# KiCad board TRS80_Model_I_Jap20_E1.kicad_pcb (continued)
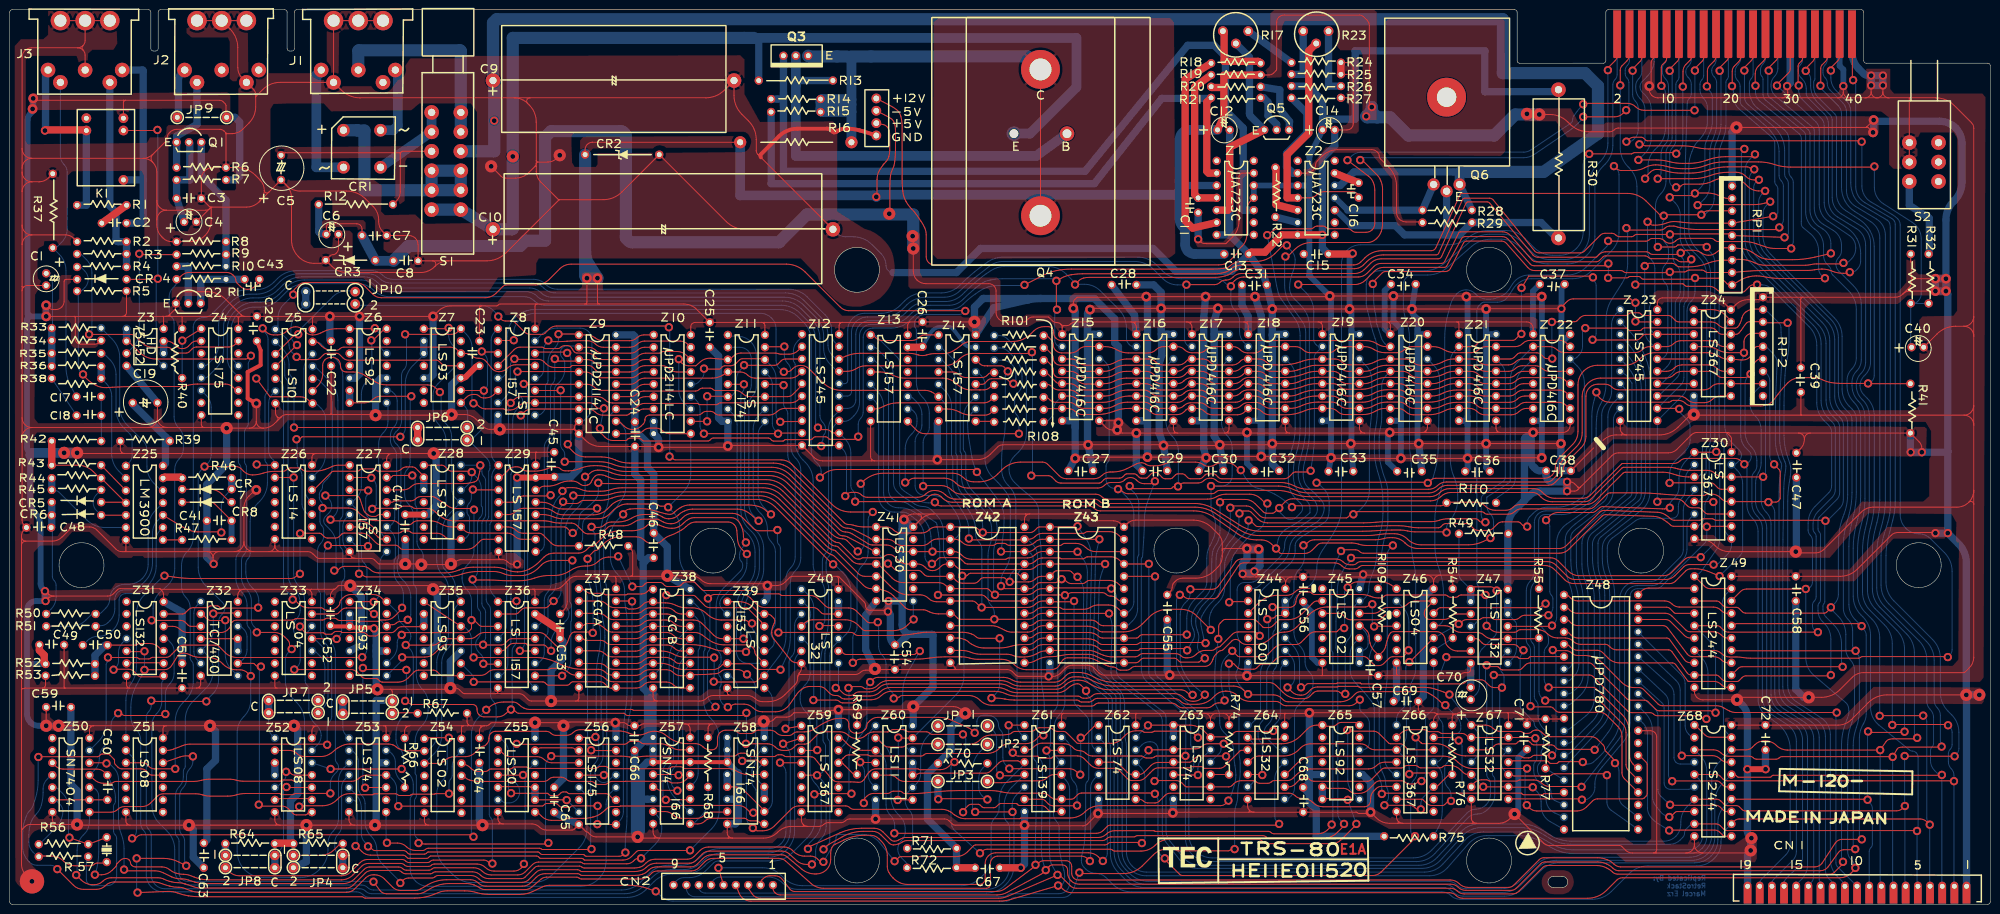
[diagram p0: board, top side]
## Routing (per net, layer and track width the routed paths; a pad name or vN(x,y) marks a point on that pad's centre or on a via; arc(x,y) is an arc through that point) (continued)
arc(161.78,45.8) 161.38,45.2 159.3,43.11 arc(157.7,42.05) 155.83,41.68 154.69,41.68 arc(153.86,41.84) 153.16,42.31 arc(152.46,42.78) 151.63,42.94 148.1,42.94 ; 161.92,46.72 arc(162.02,47.22) 162.3,47.64 ; J1.4 J1.4 J1.4 ; Z52.7 54.48,17.36 arc(54.56,16.94) 54.8,16.59 ; Z33.7 54.48,44.9 arc(54.51,44.74) 54.61,44.6 ; Z46.7 284.99,47.47 arc(285.02,47.3) 285.11,47.16 ; 30.22,140.77 30.22,139.76 arc(30.49,138.43) 31.24,137.31 31.54,137.01 arc(32.33,136.48) 33.27,136.29 R8.2 37.06,136.29 arc(38.72,136.62) 40.13,137.56 arc(41.07,138.97) 41.4,140.63 41.4,143.28 ; v2(382.52,168.42) 382.52,167.09 ; 29.4,154.26 arc(29.06,153.44) 29.4,152.61 ; 112.96,144.93 112.84,144.93 ; 107.98,151.81 106.66,150.49 arc(105.41,149.66) 103.95,149.37 101.85,149.37 arc(101.38,149.46) 100.98,149.73 v3(98.93,151.78) ; Z42.12 194.17,48.79 arc(194.27,48.65) 194.31,48.47 ; 365.38,167.02 arc(365.71,166.22) 366.52,165.88 ; 147.63,13.61 arc(147.8,13.72) 147.76,13.93 ; 163.99,16.02 166.34,16.02 arc(166.83,16.12) 167.26,16.4 arc(167.68,16.68) 168.18,16.78 170.78,16.78 arc(171.28,16.88) 171.7,17.16 arc(172.12,17.45) 172.62,17.54 v1(177.93,17.54) 192.12,17.54 arc(192.62,17.45) 193.04,17.16 193.67,16.53 arc(193.95,16.34) 194.29,16.28 v1(208.53,16.28) 208.6,16.21 arc(208.67,16.16) 208.75,16.15 220.6,16.15 arc(221.07,16.24) 221.46,16.51 v1(223.65,18.69) 238.8,18.69 arc(238.88,18.7) 238.95,18.75 v1(239.01,18.81) 239.08,18.88 arc(239.15,18.93) 239.23,18.94 254.6,18.94 ; 163.99,16.02 arc(163.49,16.12) 163.07,16.4 ; Z58.8 147.44,14.69 arc(147.53,14.28) 147.76,13.93 ; 100.89,70.88 101.28,70.88 arc(101.81,70.78) 102.26,70.48 102.33,70.4 arc(102.87,70.05) 103.5,69.92 v2(104.26,69.92) ; 100.89,70.88 arc(100.72,70.92) 100.58,71.01 ; 276.1,170.49 276.1,166.1 ; 276.1,170.49 arc(276.08,170.57) 276.03,170.64 ; 276.1,166.1 276.1,165.92 ; 276.1,166.1 arc(276.08,166.01) 276.03,165.94 ; C39.2 368.08,100.76 arc(368.09,100.7) 368.13,100.65 ; 276.1,165.92 arc(276.07,165.95) 276.03,165.94 ; Z32.7 39.24,45.34 arc(39.17,45) 38.99,44.72 ; 346.2,12.27 Z68.10 ; 148.1,42.94 arc(147.85,42.99) 147.64,43.14 ; Z66.15 296.25,34.31 arc(296.45,34.27) 296.62,34.16 296.94,33.84 arc(297.12,33.72) 297.34,33.67 v2(297.76,33.67) ; Z36.8 100.33,43.76 arc(100.29,43.59) 100.2,43.45 ; 254.6,18.94 255.68,18.94 ; 254.6,18.94 arc(254.81,19.08) 254.76,19.32 ; 255.68,18.94 arc(255.18,19.04) 254.76,19.32 ; 54.56,44.47 arc(54.62,44.51) 54.61,44.6 ; 194.5,48.28 arc(194.36,48.33) 194.31,48.47 ; Z53.7 69.72,17.36 arc(69.8,16.94) 70.04,16.59 ; 2.54,146.61 arc(3.12,148.02) 4.54,148.61 ; 13.97,176.17 arc(14.56,176.28) 15.05,176.61 ; 13.97,176.17 arc(14.56,176.05) 15.05,175.72 ; Z9.8 116.35,98.71 arc(116.15,98.41) 116.08,98.06 ; 50.13,72.54 arc(48.72,73.12) 48.13,74.54 ; 108.2,152.99 108.2,160.89 arc(107.82,162.8) 106.74,164.42 106.43,164.74 ; Z4.8 39.37,98.71 arc(39.42,98.46) 39.56,98.25 ; Z31.7 24,45.12 arc(24.05,44.87) 24.19,44.66 ; Z57.8 132.2,14.91 arc(132.3,14.41) 132.59,13.99 ; 78.61,41.93 78.61,43.78 arc(78.58,43.95) 78.48,44.09 ; 8.76,18.94 8.76,17.49 arc(8.84,17.07) 9.08,16.72 ; 30.35,100.06 C19.1 ; 284.99,19.07 284.99,17.96 arc(285.09,17.46) 285.37,17.04 ; 332.26,96.54 331.18,96.54 ; 332.26,96.54 arc(331.76,96.64) 331.34,96.92 ; 331.18,96.54 330.13,96.54 arc(328.67,96.25) 327.42,95.42 ; 331.18,96.54 arc(331.39,96.68) 331.34,96.92 ; 116.35,97.41 arc(116.15,97.71) 116.08,98.06 ; R53.1 7.36,45.12 arc(7.31,44.87) 7.17,44.66 ; 40.02,98.06 arc(39.77,98.11) 39.56,98.25 ; 325.5,93.87 C38.2 ; 15.05,176.61 arc(14.86,176.17) 15.05,175.72
  Top w0.8: 50.29,103.02 v1(50.67,103.02) 48.89,104.03 48.89,109.49 51.56,110.89 51.56,113.94 C20.2 ; Z58.3 Z57.14 Z57.3 ; C52.2 65.99,57.22 arc(66.07,57.16) 66.17,57.14 69.8,57.14 arc(69.82,57.15) 69.84,57.16 arc(69.85,57.16) 69.86,57.16 69.97,57.04 arc(70.12,56.95) 70.28,56.91 74.55,56.91 arc(74.66,56.89) 74.76,56.83 v2(74.85,56.74) ; TP1.4 177.12,158.45 arc(176.14,158.76) 175.16,159.04 174.58,159.2 arc(173.34,159.45) 172.08,159.53 171.73,159.53 arc(170.85,159.4) 170.05,159.02 169.79,158.85 arc(169.34,158.76) 168.97,159.02 arc(168.58,159.4) 168.05,159.53 161.89,159.53 arc(159.81,159.12) 158.04,157.94 154.37,154.26 arc(154.23,153.94) 154.37,153.63
  Top w1.2: v2(360.83,27.78) v2(357.1,27.78) ; 96.52,110.76 96.25,110.76 arc(96,110.71) 95.8,110.57 93.71,108.48 arc(93.42,108.29) 93.08,108.22 Z7.10 ; v2(104.27,87.78) 107.99,87.78 arc(108.07,87.79) 108.14,87.84 arc(108.21,87.89) 108.29,87.9 C45.2
  Top w1.5: C15.2 275.75,133.75 arc(275.84,133.77) 275.91,133.81 v2(275.97,133.88) ; v2(207.77,7.51) C67.2 ; R24.2 R25.2 ; Z36.15 113.1,56.34 C53.2 ; C13.2 254.92,134.04 arc(255.02,134.11) 255.15,134.13 257.93,134.13 261.36,137.69 Z2.7 v2(269.75,137.69) ; Z13.15 187.36,114.57 arc(187.44,114.59) 187.51,114.64 C26.2
  Bottom w0.2: Z67.7 299.91,21.61 arc(299.5,21.69) 299.15,21.92 298.96,22.12 arc(298.58,22.68) 298.45,23.34 298.45,32.5 arc(298.36,32.95) 298.11,33.33 v2(297.76,33.67) ; v3(84.58,69.87) 84.58,70.23 arc(84.63,70.48) 84.77,70.69 arc(84.91,70.91) 84.96,71.15 84.96,71.65 arc(84.82,72.35) 84.42,72.95 84.33,73.04 arc(83.86,73.75) 83.69,74.58 83.69,81.41 arc(83.64,81.66) 83.5,81.87 arc(83.36,82.08) 83.31,82.33 83.31,87.21 arc(83.23,87.59) 83.02,87.92 v2(82.73,88.21) ; v2(334.08,123.74) v2(334.08,119.88) ; Z27.5 69.15,79.46 arc(68.63,78.68) 68.45,77.77 68.45,74.92 arc(68.63,74.01) 69.15,73.23 Z27.8 ; 107.95,115.84 109.28,117.18 arc(110.76,118.16) 112.5,118.51 117.25,118.51 arc(118.16,118.33) 118.93,117.81 arc(119.45,117.04) 119.63,116.13 119.63,102.37 arc(119.4,101.21) 118.74,100.22 118.17,99.65 arc(117.82,99.41) 117.41,99.33 Z9.8 ; C10.2 169.92,138.07 arc(170.77,137.5) 171.76,137.31 173.32,137.31 arc(175.4,136.89) 177.17,135.71 179.07,133.81 arc(179.82,132.69) 180.08,131.37 arc(180.5,130.36) 181.51,129.94
  Bottom w0.8: Z14.15 197.61,114.57 arc(196.81,114.76) 196.18,115.28 193.95,118.24 arc(193.48,118.62) 192.88,118.76 191.27,118.76 arc(190.44,118.6) 189.74,118.13 arc(189.15,117.46) 188.67,116.71 C26.2
  Bottom w1.2: C36.2 303.4,89.81 v1(303.4,94.76) 303.4,116.22 ; 303.4,118.26 303.4,117.24 ; 303.4,118.26 v1(303.4,122.45) ; 303.4,118.26 303.4,116.22 ; 303.4,117.24 303.4,116.22 ; 303.4,117.24 Z21.16 ; Z19.16 275.71,117.24 ; 289.3,116.22 289.3,117.24 ; 289.3,116.22 289.3,95.19 arc(289.34,95.03) 289.43,94.89 v1(289.56,94.76) ; 289.3,116.22 289.3,118.26 ; 289.3,117.24 289.3,118.26 ; 289.3,117.24 Z20.16 ; 318.77,115.26 v1(318.77,94.76) ; 318.77,115.26 arc(318.78,115.33) 318.82,115.39 ; 318.77,115.26 arc(318.78,115.33) 318.82,115.39 ; Z45.7 268.73,49.68 267.59,50.82 267.59,60.09 265.94,61.73 arc(265.84,61.88) 265.81,62.06 265.81,62.25 ; C37.2 318.89,126.89 318.89,122.54 arc(318.89,122.52) 318.88,122.51 v2(318.87,122.5) 318.87,115.51 arc(318.86,115.44) 318.82,115.39 ; 275.71,118.07 275.71,117.24 ; 275.71,118.07 275.71,121.8 arc(275.67,122.05) 275.52,122.26 v1(275.33,122.45) 275.33,133.24 v2(275.97,133.88) ; 275.71,118.07 275.71,116.41 ; 275.71,117.24 275.71,116.41 ; C71.2 310,30.12 310,19.32 v3(309.24,18.56) ; 289.3,118.26 289.3,120.42 288.48,121.24 arc(288.24,121.59) 288.16,122 v1(288.16,122.45) C34.2 ; 147.44,34.31 Z58.3 149.56,27.11 arc(149.61,27.08) 149.67,27.07 ; 275.71,116.41 275.71,94.98 arc(275.7,94.89) 275.65,94.82 v1(275.59,94.76) C33.2 ; 318.82,115.39 Z22.16 ; 376.68,168.51 arc(376.7,168.43) 376.74,168.36 v2(376.81,168.29) 376.81,171.69 376.05,172.45 J4.37 376.17,178.84 arc(376.27,178.69) 376.3,178.53
  Bottom w1.5: C69.2 284.99,42.33 Z46.7 ; 259.46,117.2 v1(259.46,122.45) C31.2 257.61,129.53 arc(257.54,129.68) 257.46,129.82 C13.2 ; 259.46,117.2 259.46,117.02 ; 259.46,117.2 arc(259.48,117.17) 259.52,117.18 ; 75.31,53.17 75.31,52.09 ; 75.31,53.17 75.31,55.96 arc(75.25,56.26) 75.08,56.51 v2(74.85,56.74) ; 75.31,53.17 75.31,51.01 ; 75.31,52.09 Z34.10 ; 75.31,52.09 75.31,51.01 ; v3(90.55,44.47) 90.55,49.94 92.7,52.09 arc(92.7,52.09) 92.7,52.09 Z35.10 ; v1(279.65,18.94) 279.65,25.04 278,26.69 277.37,26.69 ; v1(223.65,18.69) 223.71,18.75 arc(223.76,18.82) 223.77,18.9 Z62.7 ; 247.52,118.64 247.52,117.24 ; 247.52,118.64 247.52,115.84 ; 247.52,118.64 247.52,120.03 v1(248.28,122.57) ; 247.52,117.24 247.52,115.84 ; 247.52,117.24 Z17.16 ; v3(90.68,70) 90.68,78.63 92.11,80.07 arc(92.21,80.13) 92.33,80.16 Z28.10 ; v3(13.84,16.4) 13.84,23.39 12.57,24.66 C59.2 ; 149.73,22.75 149.73,21.61 ; 149.73,22.75 149.73,20.47 ; 149.73,22.75 149.73,27.01 arc(149.71,27.05) 149.67,27.07 ; 149.73,21.61 149.73,20.47 ; 149.73,21.61 Z58.6 ; v1(177.93,17.54) Z60.7 ; 236.65,118.47 v1(236.6,122.57) 236.6,125.85 arc(236.59,125.87) 236.58,125.89 235.07,127.4 231.52,127.4 ; 236.65,118.47 236.69,116.01 ; 236.65,118.47 236.67,117.24 ; C13.2 250.76,137.62 ; C13.2 251.08,130.19 239.65,130.19 234.95,134.89 199.51,134.89 194.56,129.94 181.51,129.94 ; C63.2 37.72,9.67 37.72,15.39 v3(36.83,16.28) ; 149.73,20.47 149.73,17.16 149.1,16.53 Z58.8 ; C29.2 v1(237.11,94.38) 236.22,96.91 arc(236.22,96.92) 236.22,96.94 236.22,111.14 236.73,112.92 236.69,116.01 ; 129.79,20.4 129.79,15.16 arc(129.69,14.67) 129.41,14.24 v3(129.03,13.86) 128.71,14.18 arc(128.48,14.53) 128.39,14.95 128.39,25 ; 129.79,20.4 129.79,22.82 ; 129.79,20.4 129.79,21.61 ; v2(360.83,27.78) 360.82,27.79 arc(360.81,27.81) 360.81,27.82 C72.2 ; 132.2,34.31 Z38.9 ; 132.2,34.31 131.06,34.31 C66.2 128.39,25 ; 132.2,34.31 Z57.3 131,29.23 129.79,28.02 129.79,22.82 ; 247.52,115.84 247.52,96.28 v1(248.66,94.51) C30.2 ; 221.49,116.03 221.49,117.24 ; 221.49,116.03 221.49,118.45 ; 221.49,116.03 221.49,94.72 arc(221.5,94.64) 221.55,94.57 v1(221.61,94.51) C27.2 ; 221.49,117.24 Z15.16 ; 221.49,117.24 221.49,118.45 ; C64.2 96.52,17.36 arc(96.6,16.94) 96.84,16.59 v3(97.15,16.28) ; 236.69,116.01 236.67,117.24 ; Z6.10 76.27,108.22 75.18,107.14 v3(75.18,100.6) ; 128.39,31.55 128.39,25 ; 128.39,31.55 arc(128.42,31.59) 128.46,31.58 arc(128.45,31.62) 128.48,31.64 arc(128.45,31.66) 128.46,31.71 ; 128.39,31.55 arc(128.41,31.64) 128.46,31.71 ; C25.2 145.67,112.77 145.67,100.04 146.37,99.33 147.22,99.33 arc(147.47,99.23) 147.57,98.98 v1(147.57,94.25) ; v2(207.77,7.51) 208.53,8.27 v1(208.53,16.28) 208.53,19.07 ; v3(346.07,100.73) Z24.8 ; C14.2 272.29,155.98 271.07,154.76 269.75,153.44 v2(269.75,137.69) 269.75,135.02 C15.2 ; 259.46,117.02 v1(259.46,94.76) 259.46,90.57 C32.2 ; 259.46,117.02 arc(259.48,117.11) 259.52,117.18 ; 250.61,137.69 Z1.7 ; 250.61,137.69 arc(250.67,137.71) 250.7,137.78 ; 250.61,137.69 arc(250.69,137.67) 250.76,137.62 ; 130.5,70.5 129.67,71.34 129.67,87.27 128.47,88.47 C24.2 ; 130.5,70.5 131.27,71.27 C46.2 131.89,71.27 ; 130.5,70.5 130.17,70.17 130.17,44.47 131.06,43.58 131.06,33.39 ; Z43.12 213.74,47.32 arc(213.71,47.15) 213.61,47.01 v2(213.49,46.88) ; v3(100.71,97.68) 100.52,97.87 arc(100.38,98.08) 100.33,98.33 Z8.8 ; Z47.7 C70.2 ; v1(238.38,47.14) 238.12,47.39 arc(237.94,47.67) 237.87,48 C55.2 ; Z34.2 Z34.3 ; 250.76,137.62 arc(250.71,137.69) 250.7,137.78 ; Z63.7 239.14,19.03 arc(239.12,18.95) 239.08,18.88 v1(239.01,18.81) ; Z9.9 116.97,89.56 arc(116.96,89.55) 116.96,89.55 115.31,87.9 C45.2 ; 236.67,117.24 237.9,117.24 ; 236.67,117.24 237.9,117.24 ; v3(111.25,41.8) 111.25,48.15 113.66,50.56 113.66,54.1 C53.2 ; v1(289.56,94.76) C35.2 ; 75.31,51.01 75.31,44.65 arc(75.34,44.48) 75.44,44.34 v3(75.56,44.22) ; Z56.8 C65.2 ; 237.9,117.24 Z16.16 ; Z18.16 259.68,117.24 arc(259.59,117.22) 259.52,117.18 ; JP4.3 60.96,8.76 v3(60.96,16.28) ; v3(177.8,48.41) 175.89,52.34 175.89,59.46 Z41.7 ; v1(254.25,47.01) Z44.7 ; 129.79,22.82 129.79,21.61 ; 221.49,118.45 221.49,121.45 arc(221.55,121.78) 221.74,122.07 v1(221.99,122.32) ; Z7.10 92.18,108.22 90.8,106.85 v3(90.8,100.73) ; v2(382.52,170.45) v2(384.94,170.45) v2(384.94,168.42) v2(382.52,168.42) v2(382.52,170.45) ; v2(382.52,170.45) 381.95,170.45 arc(381.42,170.56) 380.97,170.86 379.98,171.85 arc(378.95,173.4) 378.58,175.22 J4.39 ; v3(81.28,70) C44.2 ; 75.31,29.32 75.31,41.93 78.61,41.93 ; 250.7,137.78 C12.2 ; v1(133.35,93.99) 133.35,95.42 arc(133.28,95.75) 133.09,96.03 132.84,96.28 arc(132.46,96.85) 132.33,97.51 Z10.8 ; C19.1 24,110.76 ; v2(365.25,168.29) 365.88,168.93 J4.29 ; v3(354.96,42.06) 356.03,40.99 arc(356.82,39.81) 357.1,38.41 v2(357.1,27.78) 357.1,15 arc(357.2,14.47) 357.51,14.02 v3(357.91,13.61) 357.84,13.53 arc(357.78,13.44) 357.76,13.34 v3(357.76,11.07) 357.44,10.75 arc(357.2,10.4) 357.12,9.98 CN1.19 ; v1(318.77,94.76) 318.77,89.17 C38.2 ; 129.79,21.61 Z57.6 ; v1(190.62,91.46) 190.62,98.9 arc(190.66,99.07) 190.75,99.21 Z14.8 ; v3(75.06,16.28) 75.18,16.4 arc(75.28,16.54) 75.31,16.71 75.31,29.14 75.35,29.1 Z53.12 ; v3(367.03,72.54) 367.09,72.6 arc(367.14,72.67) 367.15,72.75 C47.2 ; v2(104.26,69.92) 104.26,69.92 arc(104.26,69.92) 104.27,69.93 v2(104.27,87.78) ; v2(41.91,70) 40.51,71.39 C41.1 40.51,86.38 44.58,90.44 v3(44.58,97.94) ; C58.2 367.03,44.22 368.68,42.56 v3(369.69,42.56) ; 128.46,31.71 arc(128.53,31.75) 128.61,31.77
/A0: length 623.9
  Top w0.2: v2(391.95,15.08) 391.91,15.12 arc(391.87,15.15) 391.82,15.16 352.97,15.16 arc(352.56,15.24) 352.21,15.47 351.52,16.16 arc(351.11,16.43) 350.63,16.53 Z68.9 ; v2(113.71,82.8) 113.89,82.62 arc(114.09,82.49) 114.32,82.44 116.44,82.44 arc(116.85,82.52) 117.21,82.76 arc(117.56,82.99) 117.97,83.08 121.25,83.08 arc(122.53,83.2) 123.76,83.56 arc(124.99,83.92) 126.27,84.04 153.98,84.04 arc(156.06,83.63) 157.83,82.45 167.33,72.95 arc(167.77,72.55) 168.27,72.21 168.45,72.1 arc(168.63,72) 168.83,71.93 168.95,71.88 arc(169.25,71.74) 169.51,71.53 175.44,65.6 arc(176.2,65.09) 177.09,64.92 Z41.6 179.37,64.64 arc(180.59,64.2) 181.63,63.42 183.98,61.07 arc(184.53,60.7) 185.18,60.57 187.76,60.57 arc(188.08,60.54) 188.38,60.43 188.97,60.15 arc(189.89,59.84) 190.85,59.73 193.12,59.73 arc(193.18,59.75) 193.24,59.79 arc(193.3,59.82) 193.36,59.84 193.55,59.84 arc(193.78,59.79) 193.98,59.66 194.77,58.87 arc(195.05,58.68) 195.38,58.62 v2(202.33,58.62) 209.3,58.62 arc(210.09,58.78) 210.77,59.23 arc(211.44,59.68) 212.24,59.84 Z43.8 225.86,59.84 arc(225.88,59.83) 225.89,59.82 v2(225.91,59.81)
  Bottom w0.2: Z14.2 191.13,114.57 arc(191.37,114.53) 191.57,114.39 193.73,112.23 arc(194.91,110.46) 195.32,108.38 195.32,93.16 arc(195.36,93) 195.45,92.86 arc(195.54,92.72) 195.58,92.55 195.58,88 arc(195.99,85.92) 197.17,84.15 199.81,81.51 arc(200.63,80.53) 201.26,79.43 arc(201.66,78.22) 201.8,76.96 201.8,76.09 arc(201.71,74.97) 201.42,73.87 arc(201.13,72.77) 201.04,71.65 201.04,63.04 arc(201.21,62.19) 201.69,61.47 arc(202.17,60.76) 202.33,59.91 v2(202.33,58.62) ; Z36.11 108.27,49.55 arc(108.56,49.61) 108.81,49.77 109.22,50.18 arc(109.69,50.89) 109.85,51.72 109.85,54.34 arc(109.95,54.84) 110.23,55.26 arc(110.52,55.69) 110.61,56.18 110.61,58.56 arc(110.61,58.57) 110.61,58.57 arc(110.61,58.57) 110.61,58.58 110.61,62.63 arc(110.7,63.09) 110.96,63.49 111.44,63.96 arc(112.05,64.88) 112.27,65.96 112.27,78.44 arc(112.36,79.5) 112.65,80.54 112.86,81.1 arc(113.07,81.52) 113.37,81.9 113.52,82.04 arc(113.66,82.26) 113.71,82.52 v2(113.71,82.8) ; CN1.5 392.03,3.79 arc(391.97,3.89) 391.95,4 v2(391.95,15.08) 392.06,15.2 arc(392.14,15.32) 392.17,15.47 392.17,30.21 arc(392.07,30.71) 391.79,31.13 391.7,31.23 arc(391.38,31.44) 391,31.51 arc(390.63,31.59) 390.31,31.8 384.12,36.86 arc(382.85,38.48) 382.39,40.5 382.39,55.3 arc(381.98,57.38) 380.8,59.14 380.43,59.51 arc(379.25,61.28) 378.84,63.36 378.84,73.25 arc(378.98,75.57) 379.41,77.85 379.8,79.42 arc(380.22,81.7) 380.36,84.01 380.36,99.9 arc(380,101.72) 378.97,103.27 arc(377.93,104.82) 377.57,106.64 377.57,107.76 arc(377.82,109.01) 378.52,110.06 arc(379.23,111.12) 379.47,112.36 379.47,122.35 arc(379.06,124.43) 377.88,126.2 374.63,129.45 arc(374.36,129.85) 374.27,130.32 arc(374.17,130.79) 373.91,131.19 373.5,131.59 arc(372.94,132.44) 372.74,133.43 372.74,135.34 arc(372.27,137.32) 370.95,138.86 370.85,138.93 arc(369.53,140.47) 369.06,142.44 369.06,158.03 arc(368.94,158.58) 368.59,159.03 360.92,165.32 arc(360.46,165.91) 360.3,166.63 360.3,169.71 arc(360.23,170.04) 360.04,170.33 arc(359.86,170.61) 359.79,170.94 359.79,171.64 arc(359.92,172.3) 360.3,172.87 arc(360.67,173.43) 360.81,174.09 J4.25 ; v2(225.91,59.81) 226.24,58.81 arc(226.47,57.79) 226.53,56.75 226.38,52.34 arc(226.33,50.44) 226.31,48.53 226.31,47.67 arc(226.53,46.74) 227.15,46.01 230.15,43.83 arc(232.03,42.43) 233.88,40.99 236.11,39.22 arc(236.66,38.53) 236.85,37.67 236.85,14.85 arc(237.03,13.8) 237.54,12.86 240.44,9.14 arc(242.03,7.85) 244.03,7.38 290.24,7.38 arc(292.29,7.82) 293.99,9.04 298.59,14.11 arc(300.29,15.33) 302.34,15.77 310.5,15.77 arc(312.72,15.47) 314.77,14.58 316.54,13.52 arc(318.59,12.64) 320.81,12.34 341.13,12.34 arc(342.29,12.57) 343.28,13.23 343.81,13.76 arc(344.07,14.15) 344.17,14.62 arc(344.26,15.09) 344.53,15.49 345.34,16.3 arc(345.59,16.47) 345.88,16.53 Z68.9
/A1: length 633.3
  Top w0.2: v2(384.27,38.75) 384.3,38.78 arc(384.33,38.8) 384.36,38.8 v2(393.22,38.8) ; v2(111.76,62.38) 110.61,61.23 arc(110.33,61.05) 110,60.98 106.07,60.98 arc(105.58,60.88) 105.15,60.6 104.52,59.96 arc(104.24,59.78) 103.91,59.71 Z36.2 ; v2(218.72,62.38) 218.64,62.3 arc(218.56,62.24) 218.46,62.22 214,62.22 arc(213.9,62.24) 213.82,62.3 arc(213.73,62.36) 213.63,62.38 212.34,62.38 arc(211.47,62.2) 210.74,61.72 arc(210.01,61.23) 209.15,61.06 v2(199.72,61.06) 199.64,61.06 arc(199.57,61.07) 199.51,61.11 198.55,62.07 arc(198.21,62.3) 197.81,62.38 193.4,62.38 arc(193.3,62.36) 193.22,62.3 arc(193.13,62.24) 193.03,62.22 190.51,62.22 arc(189.58,62.41) 188.8,62.93 arc(188.01,63.46) 187.08,63.65 184.72,63.65 arc(183.67,63.77) 182.69,64.15 arc(181.78,64.73) 180.97,65.43 179.26,67.14 arc(178.91,67.37) 178.5,67.46 Z41.5 175.75,67.46 arc(175.01,67.6) 174.39,68.02 169.72,72.69 arc(169.52,72.82) 169.29,72.87 arc(169.04,72.9) 168.82,73 168.55,73.16 arc(168.08,73.49) 167.65,73.87 158.28,83.24 arc(156.52,84.42) 154.44,84.83 126.17,84.83 arc(124.98,84.74) 123.82,84.46 arc(122.67,84.19) 121.48,84.09 115.87,84.09 arc(115.85,84.09) 115.83,84.08 v2(115.82,84.07) ; Z68.12 354.44,17.15 arc(354.88,17.44) 355.39,17.54 392.57,17.54 arc(393.33,17.39) 393.98,16.96 v2(394.56,16.38)
  Bottom w0.2: v2(218.72,62.38) 218.72,41.97 arc(218.85,41.32) 219.21,40.77 221.29,38.7 arc(221.62,38.2) 221.74,37.6 221.74,26 arc(221.66,25.58) 221.42,25.23 arc(221.19,24.88) 221.1,24.46 221.1,20.01 arc(221.08,17.67) 221,15.33 220.91,13.46 arc(220.79,12.22) 220.53,11 220.43,10.6 arc(220.27,9.79) 220.22,8.97 arc(220.37,8.21) 220.8,7.56 221.14,7.22 arc(222.09,6.59) 223.2,6.37 arc(224.32,6.15) 225.26,5.52 226.62,4.15 arc(228.39,2.97) 230.47,2.56 294.32,2.56 arc(295.32,2.36) 296.16,1.8 arc(297.01,1.23) 298,1.03 325.28,1.03 arc(327.36,1.45) 329.12,2.63 332.8,6.3 arc(334.56,7.48) 336.64,7.89 346.67,7.89 arc(348.58,8.27) 350.2,9.35 350.4,9.56 arc(351.33,10.95) 351.66,12.59 351.66,12.84 arc(351.94,14.25) 352.74,15.45 Z68.12 ; v2(384.27,38.75) 384.27,54.81 arc(383.86,56.9) 382.68,58.66 381.32,60.02 arc(380.14,61.79) 379.73,63.87 379.73,72.74 arc(379.87,75.06) 380.29,77.34 380.69,78.91 arc(381.11,81.19) 381.25,83.51 381.25,100.24 arc(380.91,101.98) 379.92,103.46 arc(378.93,104.94) 378.58,106.68 378.58,107.38 arc(378.83,108.63) 379.54,109.68 arc(380.24,110.74) 380.49,111.98 380.49,123.37 arc(380.08,125.45) 378.9,127.22 375.87,130.25 arc(375.43,130.89) 375.28,131.65 375.28,131.67 arc(375.43,132.42) 375.85,133.05 arc(376.28,133.68) 376.43,134.43 376.43,135.59 arc(375.98,137.31) 374.75,138.59 372.71,139.84 arc(371.34,141.27) 370.84,143.18 370.84,159.19 arc(370.77,159.5) 370.57,159.75 362.92,166.21 arc(362.2,167.14) 361.95,168.29 361.95,168.58 arc(362.13,169.49) 362.65,170.26 arc(363.16,171.04) 363.35,171.95 J4.27 ; v2(111.76,62.38) 111.95,62.38 arc(112.12,62.41) 112.27,62.51 112.71,62.95 arc(113.13,63.58) 113.28,64.33 113.28,77.98 arc(113.61,79.64) 114.55,81.04 115.2,81.7 arc(115.66,82.38) 115.82,83.19 v2(115.82,84.07) ; v2(199.72,61.06) 199.74,61.08 arc(199.76,61.11) 199.77,61.14 199.77,73.03 arc(199.6,73.86) 199.13,74.57 arc(198.66,75.27) 198.5,76.1 198.5,76.87 arc(198.42,77.86) 198.18,78.82 arc(197.81,79.75) 197.33,80.63 196.6,81.79 arc(195.91,82.78) 195.1,83.68 194.62,84.17 arc(194.28,84.56) 194.02,85.01 arc(193.86,85.5) 193.8,86.02 193.8,91.79 arc(193.77,91.95) 193.67,92.09 arc(193.58,92.23) 193.55,92.4 193.55,102.4 arc(193.2,104.14) 192.21,105.62 Z14.5 ; CN1.4 394.59,3.73 arc(394.57,3.77) 394.56,3.81 v2(394.56,16.38) 394.56,16.53 arc(394.53,16.67) 394.45,16.79 394.26,16.99 arc(394.03,17.32) 393.95,17.72 393.95,37.55 arc(393.86,38.03) 393.58,38.44 v2(393.22,38.8)
/A2: length 612.6
  Top w0.2: v2(389.46,20.21) 388.96,19.72 arc(388.41,19.35) 387.77,19.22 356.62,19.22 arc(356.29,19.29) 356,19.48 355.47,20.01 arc(355.16,20.22) 354.8,20.29 353.01,20.29 arc(352.61,20.37) 352.27,20.59 351.61,21.25 arc(351.22,21.52) 350.75,21.61 Z68.7 ; v2(378.81,169.51) 378.74,169.59 arc(378.68,169.67) 378.66,169.77 378.66,178.83 arc(378.65,178.88) 378.62,178.92 J4.40 ; v2(113.59,85.01) 113.93,85.35 arc(114.31,85.6) 114.76,85.69 115.72,85.69 arc(116.59,85.6) 117.42,85.32 arc(118.26,85.05) 119.13,84.96 121.42,84.96 arc(122.54,85.05) 123.63,85.31 arc(124.73,85.58) 125.85,85.67 154.79,85.67 arc(156.87,85.25) 158.64,84.07 168.45,74.27 arc(168.74,74.02) 169.07,73.84 169.13,73.81 arc(169.42,73.71) 169.73,73.68 arc(170.03,73.62) 170.28,73.45 173.11,70.62 arc(173.8,70.16) 174.62,70 Z41.4 178.24,70 arc(178.42,69.96) 178.57,69.86 181.29,67.14 arc(182.37,66.41) 183.65,66.16 190.89,66.16 arc(191.7,66) 192.39,65.54 192.91,65.01 arc(193.02,64.94) 193.15,64.92 Z42.6 200.84,64.92 arc(201.02,64.88) 201.18,64.78 202.22,63.73 arc(202.29,63.69) 202.37,63.67 v2(202.46,63.67) 209.1,63.67 arc(209.91,63.83) 210.6,64.29 arc(211.29,64.75) 212.1,64.92 Z43.6 214.29,64.92 arc(214.34,64.93) 214.39,64.95 214.46,65.03 arc(214.51,65.06) 214.55,65.07 226.15,65.07 arc(226.23,65.05) 226.3,65 v2(226.36,64.94) ; v2(399.67,30.45) 390.1,30.45 arc(390.07,30.44) 390.04,30.42 arc(390.01,30.41) 389.99,30.42 389.96,30.45 arc(389.91,30.49) 389.84,30.5 v2(389.41,30.5)
  Bottom w0.2: v2(399.67,30.45) 399.67,30.47 arc(399.67,30.5) 399.68,30.52 400.11,30.94 arc(400.44,31.44) 400.56,32.02 400.56,35.37 arc(400.17,37.32) 399.06,38.98 398.33,39.71 arc(397.66,40.53) 397.16,41.45 arc(396.85,42.46) 396.75,43.5 396.75,50.6 arc(396.33,52.68) 395.15,54.44 387.16,62.43 arc(385.98,64.2) 385.57,66.28 385.57,71.72 arc(385.68,73.54) 386.01,75.33 arc(386.47,77.11) 386.93,78.88 386.97,79.01 arc(387.35,80.93) 387.48,82.89 387.48,139.86 arc(387.43,140.21) 387.28,140.54 arc(387.06,140.83) 386.78,141.05 381.23,144.32 arc(379.85,145.72) 379.35,147.62 379.35,168.6 arc(379.28,168.95) 379.08,169.25 v2(378.81,169.51) ; v2(113.59,85.01) 113.59,84.77 arc(113.54,84.54) 113.42,84.35 112.89,83.83 arc(112.29,83.08) 111.85,82.23 111.73,81.9 arc(111.37,80.64) 111.25,79.34 111.25,65.9 arc(111.07,64.99) 110.55,64.22 arc(110.03,63.44) 109.85,62.53 109.85,59.55 arc(109.67,58.64) 109.15,57.87 108.64,57.35 arc(108.44,57.22) 108.2,57.17 Z36.14 ; v2(389.41,30.5) 389.41,20.3 arc(389.41,20.27) 389.43,20.24 v2(389.46,20.21) 389.46,3.99 arc(389.48,3.88) 389.54,3.78 CN1.6 ; Z68.7 344.75,20.16 arc(343.76,18.67) 343.41,16.91 343.41,16.44 arc(343.14,15.11) 342.39,13.99 arc(341.26,13.24) 339.94,12.97 320.94,12.97 arc(318.73,13.28) 316.68,14.17 314.76,15.33 arc(312.71,16.22) 310.5,16.53 301.96,16.53 arc(299.91,16.1) 298.19,14.88 293.37,9.67 arc(291.66,8.45) 289.6,8.02 244.67,8.02 arc(242.66,8.48) 241.04,9.75 238.35,13.08 arc(237.8,14.06) 237.62,15.15 237.62,38.47 arc(237.48,39.07) 237.09,39.54 228.22,46.42 arc(227.66,47.11) 227.46,47.97 227.46,63.08 arc(227.31,63.79) 226.91,64.4 v2(226.36,64.94) ; v2(202.46,63.67) 202.32,63.81 arc(202.22,63.97) 202.18,64.15 202.18,72.15 arc(202.28,73.28) 202.56,74.38 202.56,74.38 arc(202.85,75.47) 202.94,76.6 202.94,76.83 arc(202.9,77.74) 202.75,78.63 202.72,78.77 arc(202.52,79.51) 202.25,80.22 arc(201.87,80.88) 201.39,81.46 198.06,84.79 arc(196.88,86.55) 196.47,88.63 196.47,92.51 arc(196.4,92.83) 196.22,93.1 arc(196.04,93.37) 195.98,93.69 195.98,100.11 arc(196.31,101.76) 197.24,103.15 Z14.11
